# Altium PCB P0.PcbDoc (part 3 of 3)
Units mm, origin at the board's own origin, x right, y up, seen from the top; angles counter-clockwise.
Board outline 111.3 x 100 mm, 2 copper layers (Top Layer, Bottom Layer); 300 components, 175 nets, 873 pads, 740 vias.
Unrouted connection lines stored in the file: 7.
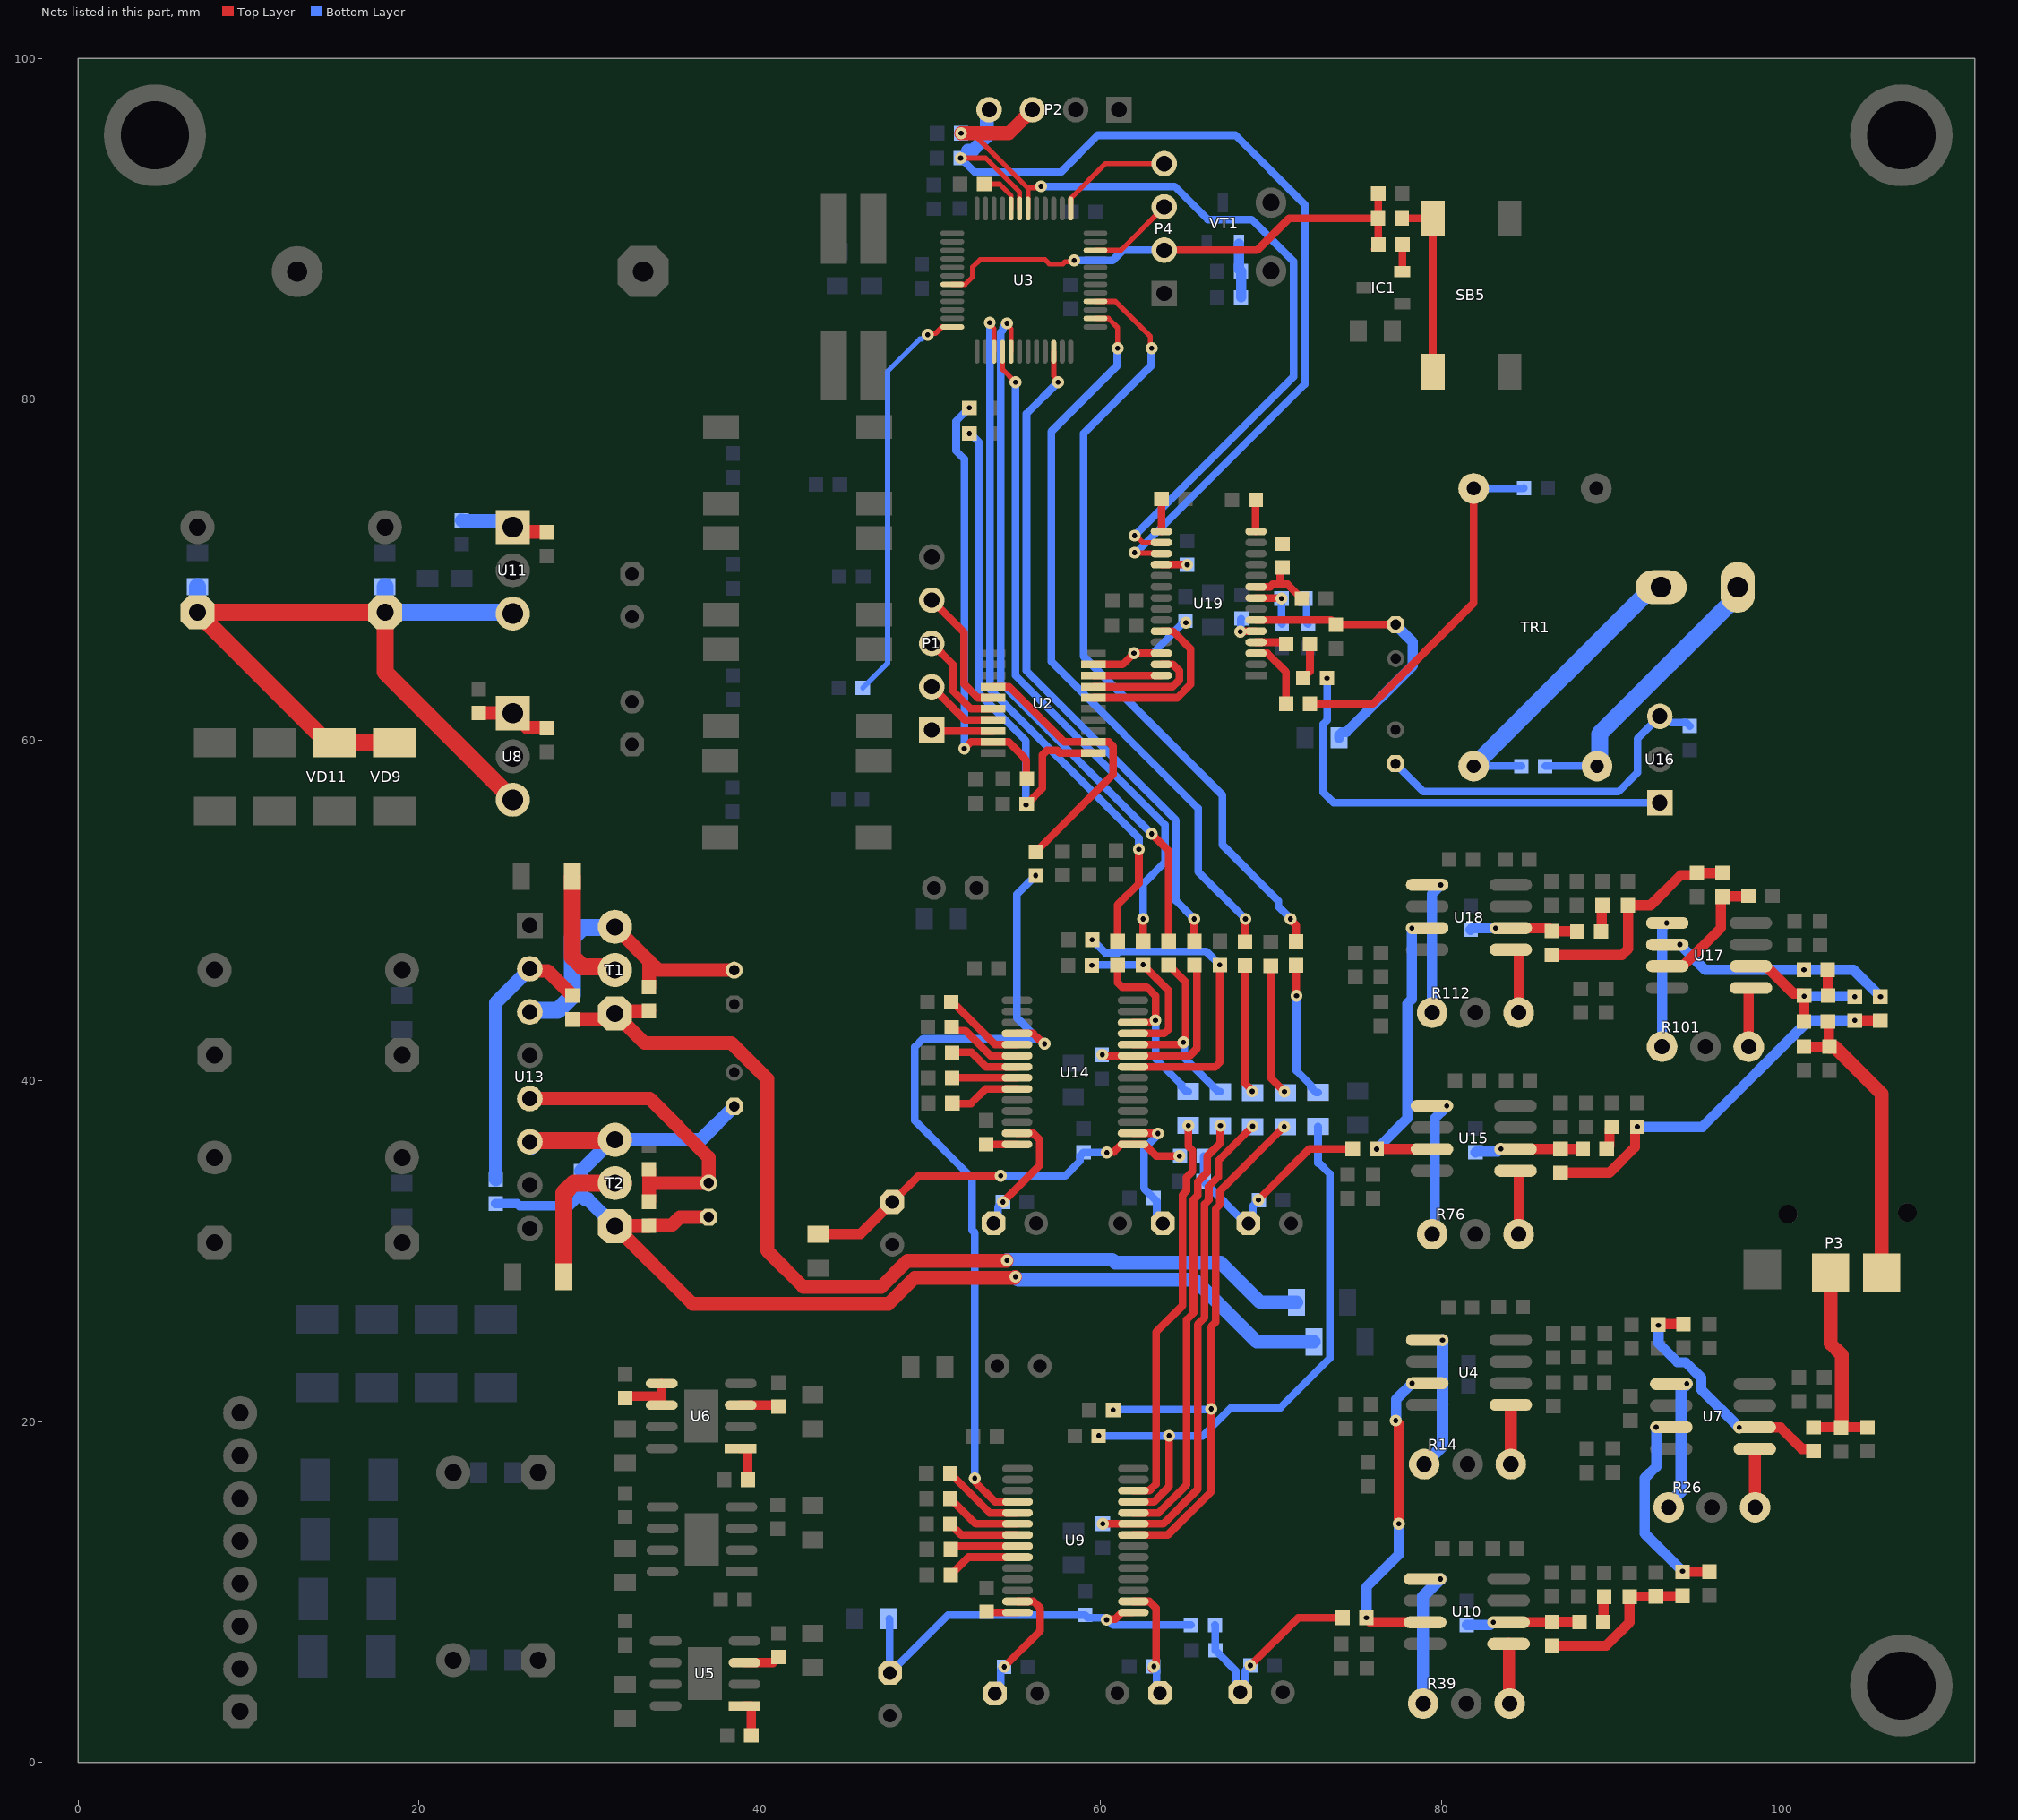
[diagram p3: the nets of this part, all layers, seen from the top]

## Via types
v1: diameter 0.7, hole 0.3, Top Layer to Bottom Layer, 740 vias

## Nets (pads, with @x,y where several pads share a name; then routed paths per layer and width w, separated by ;. In a path a pad name is that pad's centre, name@x,y a point inside that pad or via, vN(x,y) a via of type N, cw(c..) or ccw(c..) an arc to the next point about the centre after c; other vN are vias at no path point) (continued)
NetC31_2: C31.2 R20.2 U7.3 | length 11.2
  Top Layer w0.6: R20.2@94.164,11.172 94.175,11.183 95.718,11.183 C31.2@95.729,11.194
  Bottom Layer w0.6: v1(92.611,19.667) 92.611,17.35 91.939,16.678 91.939,13.429 v1(94.155,11.213)
NetC33_1: C33.1 U6.5 U6.6 | length 3.1
  Top Layer w0.55: C33.1@32.102,21.382 32.22,21.5 34.126,21.5 34.244,21.382 U6.5@34.244,22.236
NetC34_2: C34.2 R19.1 R20.1 R30.2 | length 9.7
  Top Layer w0.6: R30.2@86.511,6.841 89.671,6.841 91.051,8.221 R19.1@91.051,9.718 91.063,9.73 92.584,9.73 C34.2@92.597,9.742 92.611,9.757 94.149,9.757 R20.1@94.164,9.772
NetC35_1: C35.1 U5.1 | length 2.1
  Top Layer w0.55: U5.1@39.102,3.312 39.498,3.312 39.502,3.308 C35.1@39.502,1.582
NetC36_1: C36.1 U5.3 | length 2.1
  Top Layer w0.55: U5.3@39.102,5.852 40.772,5.852 C36.1@41.102,6.181
NetC37_1: C37.1 U6.1 | length 2.3
  Top Layer w0.55: U6.1@38.877,18.426 39.298,18.426 39.302,18.422 C37.1@39.302,16.582
NetC38_1: C38.1 U6.3 | length 2.3
  Top Layer w0.55: U6.3@38.877,20.966 38.881,20.962 41.021,20.962 C38.1@41.102,20.882
NetC41_1: C41.1 R18.2 R30.1 U10.6 | length 5.8
  Top Layer w0.6: U10.6@83.947,8.22 83.957,8.231 86.509,8.231 86.511,8.229 86.521,8.239 88.107,8.239 C41.1@88.11,8.237
  Bottom Layer w0.6: R18.2@81.497,8.062 82.868,8.062 83.026,8.221 v1(83.053,8.221)
NetC41_2: C41.2 R24.2 | length 1.5
  Top Layer w0.6: C41.2@89.51,8.237 89.53,8.257 89.53,9.697 R24.2@89.551,9.718
NetC42_2: C42.2 C47.2 C59.1 C60.1 C68.1 C69.1 U8.3 U11.3 VD9.2 VD11.2 | length 50.4
  Top Layer w1: VD9.2@18.538,59.838 VD11.2@15.038,59.838 14.638,59.838 7,67.476 C60.1@7,67.5 C69.1@18,67.5 18,64 U8.3@25.5,56.5
  Bottom Layer w1: C60.1@7,67.5 C42.2@7,69 ; C47.2@18,69 C69.1@18,67.5 20.375,67.5 C68.1@20.5,67.5 22.375,67.5 C59.1@22.5,67.5 25.42,67.5 U11.3@25.5,67.42
NetC51_1: C51.1 C52.1 U9.13 | length 7.6
  Top Layer w0.45: v1(54.344,5.605) 56.45,7.711 56.45,9.062 56.069,9.443 U9.13@55.125,9.443
  Bottom Layer w0.45: C52.1@53.794,4.045 53.794,4.263 54.144,4.613 54.144,5.405 v1(54.344,5.605)
NetC53_1: C53.1 C54.1 U9.16 | length 6.9
  Top Layer w0.45: U9.16@61.925,9.443 62.869,9.443 63.25,9.062 63.25,5.75 v1@63,5.5
  Bottom Layer w0.45: C53.1@63.08,5.625 63.28,5.425 63.28,4.275 C54.1@63.49,4.065
  other v1: 63.125,5.625
NetC58_2: C58.2 R46.2 T1.3 U13.3 | length 18.7
  Top Layer w0.8: T1.3@31.5,49.04 33.5,47.04 ; R46.2@33.5,45.5 33.5,47.04 ; C58.2@38.5,46.5 34.04,46.5 33.5,47.04
  Bottom Layer w1: U13.3@26.5,44.04 26.596,44.136 28.136,44.136 29,45 29,48.414 29.586,49 31.46,49 T1.3@31.5,49.04
NetC70_1: C70.1 R57.1 T2.3 U13.6 | length 16.5
  Top Layer w1: U13.6@26.5,36.42 26.56,36.48 31.94,36.48 T2.3@32,36.54
  Bottom Layer w0.8: U13.6@26.5,36.42 26.634,36.286 U13.6@26.634,36.066 ; R57.1@29.5,34.7 31.34,36.54 T2.3@31.5,36.54 36.54,36.54 C70.1@38.5,38.5
NetC74_1: C74.1 C75.1 L2.1 R58.1 U9.15 | length 24.3
  Top Layer w0.45: v1(60.357,8.367) 60.405,8.415 60.872,8.415 61.25,8.793 U9.15@61.925,8.793
  Bottom Layer w0.45: L2.1@47.587,8.427 47.612,8.402 47.612,5.267 C75.1@47.637,5.242 51.046,8.65 C74.1@59.078,8.65 59.249,8.479 60.178,8.479 60.289,8.367 v1(60.357,8.367) 60.424,8.367 60.726,8.065 R58.1@65.314,8.065
NetC80_1: C80.1 R53.2 R70.1 U15.6 | length 5.6
  Top Layer w0.6: U15.6@84.354,35.99 84.359,35.995 88.295,35.995 C80.1@88.3,36
  Bottom Layer w0.6: R53.2@82,35.8 82.052,35.852 83.325,35.852 83.473,36 v1(83.5,36) v1@83.481,36.019
NetC80_2: C80.2 R59.2 | length 1.4
  Top Layer w0.6: C80.2@89.7,36 89.875,36.175 89.875,37.175 R59.2@90,37.3
NetC81_1: C81.1 R55.2 R56.2 R57.2 R61.2 T2.1 | length 59
  Top Layer w0.55: T2.1@31.5,31.46 T2.1@31.52,31.48 ; R55.2@33.48,31.48 R55.2@33.5,31.5
  Top Layer w0.8: T2.1@31.5,31.46 36.053,26.907 47.554,26.907 49.082,28.436 54.936,28.436 v1(55,28.5) ; T2.1@31.52,31.48 R55.2@33.48,31.48 ; R55.2@33.5,31.5 33.525,31.525 34.825,31.525 35.3,32 C81.1@37,32
  Bottom Layer w0.55: R56.2@24.5,32.8 25.756,32.8 25.901,32.655 28.855,32.655 R57.2@29.5,33.3
  Bottom Layer w0.8: R57.2@29.5,33.3 29.741,33.059 29.901,33.059 T2.1@31.5,31.46 ; v1(55,28.5) 55.168,28.332 65.511,28.332 69.158,24.686 R61.2@72.523,24.686
NetC81_2: C81.2 R52.2 R55.1 U13.5 | length 18.9
  Top Layer w0.8: U13.5@26.5,38.96 33.54,38.96 37,35.5 C81.2@37,34 33.65,34 33.5,33.85 ; R55.1@33.5,32.9 33.5,33.85 ; R52.2@33.5,34.8 33.5,33.85
NetC82_2: C82.2 C83.1 L4.2 U19.6 | length 17.3
  Top Layer w0.45: U19.6@69.123,67.046 73.539,67.046 C82.2@73.809,66.775 73.811,66.777 77.324,66.777 C83.1@77.326,66.779
  Bottom Layer w0.6: L4.2@74,60.138 74,60.263 74.2,60.463 74.424,60.463 78.326,64.365 78.326,65.756 77.326,66.756 C83.1@77.326,66.779
NetC86_2: C86.2 C87.1 U16.3 | length 21.2
  Bottom Layer w0.45: C87.1@77.309,58.61 78.948,56.971 90.398,56.971 91.51,58.083 91.51,60.086 U16.3@92.824,61.4 93.108,61.4 93.487,61.02 94.394,61.02 C86.2@94.587,60.827
NetC91_1: C91.1 R77.2 | length 2.2
  Top Layer w0.45: R77.2@71.891,63.636 72.291,64.036 C91.1@72.291,65.636
NetC91_2: C91.2 U19.4 | length 1.8
  Top Layer w0.45: U19.4@69.123,65.746 70.781,65.746 C91.2@70.891,65.636
NetC92_1: C92.1 R75.2 TR1.4 | length 21.7
  Top Layer w0.45: C92.1@72.291,62.136 75.99,62.136 81.898,68.043 TR1.4@81.898,74.771
  Bottom Layer w0.45: TR1.4@81.898,74.771 81.91,74.783 84.837,74.783 R75.2@84.849,74.795
NetC92_2: C92.2 U19.3 | length 4.1
  Top Layer w0.45: U19.3@69.123,65.096 69.797,65.096 70.891,64.002 C92.2@70.891,62.136
NetC93_1: C93.1 R73.1 U17.2 | length 13
  Bottom Layer w0.6: v1(94,48) 95.481,46.519 v1(101.278,46.519) 104.192,46.519 v1(105.772,44.939)
NetC93_2: C93.2 R79.2 | length 1.5
  Top Layer w0.6: C93.2@102.678,46.519 102.689,46.508 102.689,45.011 R79.2@102.7,45
NetC94_1: C94.1 R70.2 R73.2 R80.1 | length 23.1
  Top Layer w0.6: R70.2@87,34.6 89.857,34.6 91.375,36.118 91.375,37.175 v1(91.5,37.3) ; v1(104.266,43.543) R73.2@105.766,43.543
  Bottom Layer w0.6: v1(91.5,37.3) 95.32,37.3 101.562,43.543 v1(104.266,43.543)
NetC99_2: C99.2 R89.2 U17.3 | length 7.5
  Top Layer w0.6: U17.3@93.267,46.727 94.167,46.727 96.417,48.977 96.417,50.717 R89.2@96.5,50.8 96.537,50.837 97.989,50.837 C99.2@98.026,50.874
NetC101_2: C101.2 R88.1 R89.1 R108.2 | length 13.5
  Top Layer w0.6: R108.2@86.486,47.391 90.609,47.391 90.96,47.743 R88.1@90.96,50.3 92.285,50.3 94.06,52.075 94.875,52.075 C101.2@95,52.2 R89.1@96.5,52.2
NetC104_2: C104.2 U19.5 | length 1.7
  Top Layer w0.45: v1(68.196,66.368) 68.224,66.396 U19.5@69.123,66.396
  Bottom Layer w0.45: v1(68.196,66.368) 68.23,66.402 68.23,67.103 C104.2@68.264,67.137
NetC105_1: C105.1 R87.2 R108.1 U18.6 | length 5.5
  Top Layer w0.6: U18.6@84.075,48.967 86.311,48.967 R108.1@86.486,48.791 86.496,48.782 87.973,48.782 C105.1@87.983,48.772
  Bottom Layer w0.6: R87.2@81.723,48.867 81.803,48.947 83.16,48.947 v1(83.179,48.966)
NetC105_2: C105.2 R94.2 | length 1.6
  Top Layer w0.6: C105.2@89.383,48.772 89.421,48.811 89.421,50.261 R94.2@89.46,50.3
NetC106_1: C106.1 C109.1 U14.16 | length 7.8
  Top Layer w0.45: U14.16@61.9,36.925 63.347,36.925 v1(63.366,36.906)
  Bottom Layer w0.45: v1(63.366,36.906) 63.366,36.839 62.551,36.024 62.551,33.682 63.301,32.932 63.301,32.2 63.651,31.85 C106.1@63.651,31.632 C106.1@63.651,31.414
NetC107_1: C107.1 C108.1 U14.13 | length 7.5
  Top Layer w0.45: v1(54.268,32.893) 56.425,35.05 56.425,36.544 56.044,36.925 U14.13@55.1,36.925
  Bottom Layer w0.45: C108.1@53.715,31.636 53.972,31.892 53.972,32.597 v1(54.268,32.893)
NetC113_1: C113.1 R104.2 | length 1.6
  Bottom Layer w0.45: R104.2@72.021,68.305 72.097,68.229 72.097,66.885 C113.1@72.173,66.809
NetC114_2: C114.2 R104.1 U19.8 | length 3
  Top Layer w0.45: U19.8@69.123,68.346 70.573,68.346 v1(70.613,68.305)
  Bottom Layer w0.45: v1(70.613,68.305) 70.63,68.289 70.63,66.828 C114.2@70.639,66.819
NetC119_1: C119.1 C120.1 L6.1 R111.1 U14.15 | length 23.6
  Top Layer w0.45: C120.1@47.632,33.251 C120.1@47.75,33.132 ; C120.1@47.781,32.887 49.324,34.43 v1(54.135,34.43) ; 60.783,35.833 61.225,36.275 62.575,36.275 63.261,35.589 v1(64.621,35.589)
  Top Layer w0.6: L6.1@43.423,31.007 45.902,31.007 C120.1@47.781,32.887
  Bottom Layer w0.45: C120.1@47.781,32.887 C120.1@47.792,32.898 ; v1(54.135,34.43) 57.93,34.43 58.8,35.3 58.8,35.6 C119.1@59,35.8 59.008,35.792 60.359,35.792 v1(60.366,35.785)
NetIC1_2: IC1.2 R65.2 | length 1.6
  Top Layer w0.45: IC1.2@77.704,87.501 77.71,87.506 77.71,89.076 R65.2@77.715,89.081
NetJ1_1A: P6.1A R85.1 TR1.2 | length 17
  Bottom Layer w0.45: R85.1@86.098,58.471 TR1.2@89.137,58.471
  Bottom Layer w1: TR1.2@89.137,58.471 89.29,58.624 89.29,60.367 97.394,68.471 P6.1A@97.394,68.971
NetJ1_2B: P6.2B R85.2 TR1.1 | length 18.1
  Bottom Layer w0.45: TR1.1@81.898,58.471 R85.2@84.698,58.471
  Bottom Layer w1: TR1.1@81.898,58.471 92.398,68.971 P6.2B@92.898,68.971
NetP1_1: P1.1 U2.18 | length 3.6
  Top Layer w0.45: P1.1@50.091,60.596 50.151,60.536 U2.18@53.691,60.536
NetP1_2: P1.2 U2.17 | length 4.4
  Top Layer w0.45: P1.2@50.091,63.136 52.041,61.186 U2.17@53.691,61.186
NetP1_3: P1.3 U2.16 | length 6.1
  Top Layer w0.45: P1.3@50.091,65.676 51.342,64.425 51.342,62.885 52.391,61.836 U2.16@53.691,61.836
NetP1_4: P1.4 U2.15 | length 7.7
  Top Layer w0.45: P1.4@50.091,68.216 51.992,66.315 51.992,63.284 52.79,62.486 U2.15@53.691,62.486
NetP4_2: P4.2 R64.1 R65.1 R67.2 U3.7 | length 30.6
  Top Layer w0.3: U3.7@51.3,86.75 52.057,86.75 52.5,87.193 52.5,87.774 52.926,88.2 56.746,88.2 56.996,87.95 57.79,87.95 57.913,88.073 58.373,88.073 v1(58.45,88.15) ; R65.1@76.02,88.816 76.05,88.816 76.3,89.067 R65.1@76.3,89.096 ; R64.1@76.29,90.626 R64.1@76.285,90.622 R64.1@76.3,90.607 ; R67.2@76.29,92.086 R67.2@76.295,92.09
  Top Layer w0.45: P4.2@63.734,88.755 69.196,88.755 71.063,90.622 R64.1@76.285,90.622 ; R64.1@76.29,90.626 R67.2@76.29,92.086 ; R65.1@76.3,89.096 R64.1@76.3,90.607
  Bottom Layer w0.45: v1(58.45,88.15) 60.709,88.15 61.313,88.754 P4.2@63.734,88.755
NetR1_1: R1.1 R9.1 U2.19 | length 25.9
  Top Layer w0.45: v1(52,59.5) 52.386,59.886 U2.19@53.691,59.886 54.614,59.886 55.5,59 55.5,58.932 55.643,58.789 55.643,57.935 55.67,57.908 R9.1@55.67,57.735
  Bottom Layer w0.45: v1(52,59.5) 52,76.5 51.525,76.975 51.525,78.725 v1(52.3,79.5)
NetR2_1: R2.1 R10.1 U2.1 | length 29.7
  Top Layer w0.45: R10.1@55.66,56.238 56.591,57.169 56.591,59.136 56.855,59.399 57.449,59.399 57.613,59.236 U2.1@59.591,59.236
  Bottom Layer w0.45: v1(52.3,78) 52.35,78 52.85,77.5 52.85,62.731 55.623,59.958 v1(55.623,56.195)
NetR14_1: R14.1 U4.1 | length 7.7
  Bottom Layer w0.7: R14.1@79,17.5 80.072,18.572 v1(80.072,24.786)
NetR14_3: R14.3 U4.5 | length 3.5
  Top Layer w0.7: U4.5@84.075,20.979 84.08,20.979 R14.3@84.08,17.5
NetR15_1: R15.1 R16.2 R22.1 U7.6 | length 13.8
  Top Layer w0.6: v1(92.741,25.65) 92.73,25.661 R16.2@92.73,25.703 92.743,25.716 94.206,25.716 R15.1@94.219,25.728 ; U7.6@98.399,19.667 98.419,19.648 99.917,19.648 101.173,18.392 101.723,18.392 R22.1@101.848,18.267
  Bottom Layer w0.6: v1(92.741,25.65) 92.76,25.631 92.76,24.585 93.867,23.478 94.346,23.478 95.255,22.569 95.255,21.882 v1(97.487,19.649)
NetR26_1: R26.1 U7.1 | length 7.7
  Bottom Layer w0.7: R26.1@93.339,14.968 93.339,15.168 94.1,15.928 94.1,21.912 v1(94.405,22.217)
NetR26_3: R26.3 U7.5 | length 3.4
  Top Layer w0.7: U7.5@98.399,18.397 98.409,18.397 98.409,14.978 R26.3@98.419,14.968
NetR27_1: R27.1 R29.1 U8.1 | length 4.4
  Top Layer w0.8: R29.1@23.5,61.6 23.51,61.59 25.49,61.59 U8.1@25.5,61.58 26.355,60.725 27.475,60.725 R27.1@27.5,60.7
NetR28_2: R28.2 U4.3 U10.3 | length 18.6
  Top Layer w0.6: v1(75.606,8.484) 75.87,8.22 U10.3@79.047,8.22 ; v1(77.325,20.063) 77.325,20.036 77.5,19.862 v1(77.5,14)
  Bottom Layer w0.6: v1(75.606,8.484) 75.606,10.295 77.5,12.189 v1(77.5,14) ; v1(77.325,20.063) 77.345,20.083 77.345,21.305 v1(78.286,22.246)
NetR31_2: R31.2 R34.1 VT1.1 | length 3.2
  Bottom Layer w0.6: VT1.1@68.131,89.127 68.131,87.633 R34.1@68.245,87.52 R31.2@68.245,85.986
NetR32_2: R32.2 U9.5 | length 4.9
  Top Layer w0.45: R32.2@51.178,16.954 53.489,14.643 U9.5@55.125,14.643
NetR33_1: Designator6.1 Designator6.2 R33.1 R36.1 U9.22 | length 42.3
  Top Layer w0.45: U9.22@61.925,13.343 63.946,13.343 66.5,15.897 66.5,20.741 v1(66.494,20.747) 66.494,25.575 66.757,25.838 66.757,32.49 67,32.733 67,33.532 v1(70.772,37.304) ; R33.1@69.988,46.741 69.988,40.172 v1(70.793,39.367)
  Bottom Layer w0.45: v1(60.734,20.679) 60.768,20.713 66.46,20.713 v1(66.494,20.747)
NetR35_2: R35.2 U9.6 | length 4.6
  Top Layer w0.45: R35.2@51.188,15.477 52.671,13.993 U9.6@55.125,13.993
NetR37_2: R37.2 U9.7 | length 4.2
  Top Layer w0.45: R37.2@51.184,13.985 51.826,13.343 U9.7@55.125,13.343
NetR38_2: R38.2 R45.1 R46.1 T1.1 | length 58.9
  Top Layer w0.8: R45.1@29,43.6 30.874,43.6 31.234,43.96 T1.1@31.5,43.96 33.236,42.224 38.331,42.224 40.441,40.115 40.441,30.017 42.55,27.907 47.14,27.907 48.668,29.436 54.477,29.436 v1(54.5,29.458) ; T1.1@31.5,44.075 33.475,44.075 R46.1@33.5,44.1
  Bottom Layer w0.8: v1@54.5,29.5 60.688,29.5 60.855,29.332 67.043,29.332 69.375,27 R38.2@71.5,27
NetR39_1: R39.1 U10.1 | length 7.7
  Bottom Layer w0.7: R39.1@78.934,3.453 78.934,9.747 v1(79.947,10.76)
NetR39_3: R39.3 U10.5 | length 3.5
  Top Layer w0.7: U10.5@83.947,6.95 83.981,6.95 83.981,3.486 R39.3@84.014,3.453
NetR40_2: R40.2 U9.8 | length 4
  Top Layer w0.45: R40.2@51.2,12.5 51.393,12.693 U9.8@55.125,12.693
NetR41_1: R41.1 R42.1 U11.1 | length 5.3
  Top Layer w0.8: U11.1@25.5,72.5 25.775,72.225 27.475,72.225 R41.1@27.5,72.2
  Bottom Layer w0.8: R42.1@22.5,72.9 22.525,72.875 25.125,72.875 U11.1@25.5,72.5
NetR43_1: R43.1 T1.2 | length 7.5
  Top Layer w1: R43.1@29,52 29,47.277 29.586,46.691 31.309,46.691 T1.2@31.5,46.5
NetR44_2: R44.2 U9.9 | length 4.4
  Top Layer w0.45: R44.2@51.2,11 52.243,12.043 U9.9@55.125,12.043
NetR45_2: R45.2 R56.1 U13.2 | length 16.4
  Top Layer w0.8: U13.2@26.5,46.58 26.634,46.446 27.554,46.446 R45.2@29,45
  Bottom Layer w0.8: R56.1@24.5,34.2 24.5,44.58 U13.2@26.5,46.58
NetR47_2: Designator7.1 Designator7.2 R47.2 R48.2 U9.25 | length 42.9
  Top Layer w0.45: U9.25@61.925,15.293 63.138,15.293 64.025,16.18 v1(64.025,19.163) ; R48.2@71.475,46.777 71.488,46.765 71.488,45.012 v1(71.5,45)
  Bottom Layer w0.45: v1(59.888,19.163) 62.938,19.163 66.005,19.163 67.66,20.818 70.557,20.818 73.448,23.709 73.448,34.552 72.763,35.237 ; v1(71.5,45) 71.5,40.589 72.363,39.726 72.363,39.601 72.638,39.326 Designator7.2@72.763,39.326 ; 72.763,35.166 72.763,35.237 ; Designator7.1@72.763,37.326 72.763,35.237
NetR49_2: Designator5.1 Designator5.2 R49.2 R51.2 U9.23 | length 36.6
  Top Layer w0.45: v1(60.136,14.005) 60.148,13.993 U9.23@61.925,13.993 63.677,13.993 65.707,16.023 65.707,25.707 66.107,26.107 66.107,32.759 66.35,33.002 66.35,33.801 66.907,34.358 66.907,35.31 v1(68.923,37.326) ; R49.2@68.486,46.766 68.486,39.855 68.896,39.445 v1(68.896,39.377)
NetR50_1: R50.1 U9.14 | length 1.8
  Top Layer w0.45: R50.1@53.312,8.829 53.348,8.793 U9.14@55.125,8.793
NetR62_1: R62.1 T2.2 | length 8.7
  Top Layer w1: R62.1@28.5,28.5 28.5,33.414 29.086,34 T2.2@32,34
NetR63_1: R63.1 U3.44 | length 2.6
  Top Layer w0.3: R63.1@53.167,92.631 54.076,92.631 54.75,91.957 U3.44@54.75,91.2
NetR64_2: R64.2 SB5.1 | length 10.8
  Top Layer w0.45: R64.2@77.685,90.622 SB5.1@79.492,90.62 SB5.1@79.492,90.62 SB5.1@79.492,81.62
NetR72_1: R72.1 U2.9 U19.26 | length 8
  Top Layer w0.45: U2.9@59.591,64.436 61.299,64.436 v1(61.958,65.096) U19.26@63.57,65.096
  Bottom Layer w0.45: v1(61.958,65.096) 63.067,65.096 64.856,66.885 v1(65.004,66.885)
NetR74_2: R74.2 U14.5 | length 4.9
  Top Layer w0.45: R74.2@51.242,44.614 51.442,44.414 51.523,44.414 53.811,42.125 U14.5@55.1,42.125
NetR76_1: R76.1 U15.1 | length 9.1
  Top Layer w0.6: U15.1@79.454,38.53 v1(80.327,38.53) ; R76.1@79.46,31 R76.1@79.46,31.325
  Bottom Layer w0.6: R76.1@79.46,31 79.6,31.14 79.6,37.776 80.327,38.503 v1(80.327,38.53)
NetR76_3: R76.3 U15.5 | length 4.5
  Top Layer w0.6: U15.5@83.754,34.674 83.8,34.72 U15.5@84.354,34.72 84.494,34.72 84.54,34.674 R76.3@84.54,31
NetR77_1: R77.1 U16.1 | length 26.8
  Bottom Layer w0.45: v1(73.291,63.636) 73.291,61.156 73.075,60.94 73.075,56.925 73.68,56.32 U16.1@92.824,56.32
NetR78_1: R78.1 R82.1 U14.22 | length 19.1
  Top Layer w0.45: U14.22@61.9,40.825 66.736,40.825 67,41.089 v1(67,46.8)
  Bottom Layer w0.45: v1(59.509,48.277) 60.286,47.5 61,47.5 61.091,47.591 66.209,47.591 v1(67,46.8)
NetR79_1: R79.1 R80.2 R90.1 U17.6 | length 8.4
  Top Layer w0.6: U17.6@98.167,46.727 99.067,46.727 100.669,45.125 101.175,45.125 R79.1@101.3,45 ; R90.1@101.29,43.488 101.295,43.494 R79.1@101.295,44.995 ; v1(101.301,44.97) R79.1@101.3,45
  Bottom Layer w0.6: v1(101.301,44.97) 104.213,44.97 104.246,44.937 v1(104.273,44.937)
NetR81_2: R81.2 U14.6 | length 4.5
  Top Layer w0.45: R81.2@51.262,43.146 51.462,42.946 52.071,42.946 53.542,41.475 U14.6@55.1,41.475
NetR83_2: R83.2 U14.7 | length 4.2
  Top Layer w0.45: R83.2@51.283,41.647 51.306,41.67 52.428,41.67 53.273,40.825 U14.7@55.1,40.825
NetR84_2: R84.2 U14.8 | length 3.8
  Top Layer w0.45: R84.2@51.282,40.172 51.285,40.175 U14.8@55.1,40.175
NetR86_2: R86.2 U14.9 | length 4.2
  Top Layer w0.45: R86.2@51.301,38.685 51.321,38.666 52.398,38.666 53.257,39.525 U14.9@55.1,39.525
NetR91_1: R91.1 U19.14 | length 1.9
  Top Layer w0.45: R91.1@69.107,74.102 69.107,72.246 U19.14@69.123,72.246
NetR95_1: R95.1 U19.15 | length 1.9
  Top Layer w0.45: U19.15@63.57,72.246 63.579,72.246 R95.1@63.579,74.153
NetR97_1: R97.1 U19.18 | length 1.5
  Top Layer w0.45: U19.18@63.57,70.296 65.084,70.296 v1(65.087,70.293)
NetR98_2: R98.2 R105.2 U14.25 | length 9.6
  Top Layer w0.45: U14.25@61.9,42.775 63.736,42.775 64,43.039 64,45.3 R105.2@62.5,46.8
  Bottom Layer w0.45: v1(59.487,46.775) 59.507,46.796 62.473,46.796 v1(62.494,46.816)
NetR99_2: R99.2 R103.2 U14.23 | length 10.7
  Top Layer w0.45: v1(60.114,41.534) 60.182,41.534 60.24,41.475 U14.23@61.9,41.475 65.236,41.475 65.65,41.889 65.65,46.65 R99.2@65.5,46.8
NetR101_1: R101.1 U17.1 | length 7.4
  Bottom Layer w0.6: R101.1@92.96,42 92.96,48.974 93.224,49.239 v1(93.224,49.266)
NetR101_3: R101.3 U17.5 | length 3.6
  Top Layer w0.6: R101.3@98.04,42 98.04,45.411 98.086,45.457 U17.5@98.167,45.457
NetR102_1: R102.1 U14.14 | length 1.8
  Top Layer w0.45: R102.1@53.277,36.287 53.289,36.275 U14.14@55.1,36.275
NetR106_2: R106.2 R109.1 U19.9 | length 4.2
  Top Layer w0.45: U19.9@69.123,68.996 69.951,68.996 70.091,69.136 70.535,69.136 ; R106.2@70.694,70.127 70.535,69.968 70.535,69.136 ; R109.1@71.824,68.291 70.979,69.136 70.535,69.136
NetR107_2: R107.2 U15.3 U18.3 | length 17.1
  Top Layer w0.6: R107.2@76.2,36 v1(76.205,35.995) 79.449,35.995 U15.3@79.454,35.99
  Bottom Layer w0.6: v1(76.205,35.995) 78,37.79 78,44.52 78.273,44.793 v1(78.273,48.955)
NetR112_1: R112.1 U18.1 | length 7.7
  Bottom Layer w0.6: R112.1@79.46,44 79.46,50.973 79.96,51.473 v1(79.96,51.5)
NetR112_3: R112.3 U18.5 | length 4.1
  Top Layer w0.6: U18.5@84.075,47.697 84.494,47.697 84.54,47.651 R112.3@84.54,44
NetU2_6: U2.6 U19.24 | length 10.2
  Top Layer w0.45: U2.6@59.591,62.486 64.504,62.486 65.275,63.257 65.275,65.365 64.244,66.396 U19.24@63.57,66.396
NetU2_7: U2.7 U19.27 | length 6.9
  Top Layer w0.45: U2.7@59.591,63.136 64.234,63.136 64.625,63.526 64.625,64.065 64.244,64.446 U19.27@63.57,64.446
NetU2_8: U2.8 U19.28 | length 4
  Top Layer w0.45: U2.8@59.591,63.786 61.624,63.786 61.633,63.796 U19.28@63.57,63.796
OUTL: C112.2 P3.4 R90.2 R100.2 | length 17.8
  Top Layer w0.6: R100.2@101.279,42.002 C112.2@102.779,42.002 102.734,42.047 102.734,43.444 R90.2@102.69,43.488
  Top Layer w0.8: C112.2@102.779,42.002 102.804,41.977 103.103,41.977 105.846,39.234 P3.4@105.846,28.72
OUTR: C46.2 P3.3 R22.2 R25.2 | length 17.7
  Top Layer w0.6: R22.2@101.848,19.667 101.849,19.668 C46.2@103.458,19.668 ; P3.3@102.846,28.72 P3.3@103.458,28.108 ; C46.2@103.458,19.655 C46.2@103.458,19.668 ; 103.458,23.957 C46.2@103.458,19.668 ; C46.2@103.472,19.668 R25.2@105.022,19.67 R25.2@105.022,19.67
  Top Layer w0.8: P3.3@102.846,28.72 102.846,24.57 103.458,23.957 103.503,23.913 103.503,19.699 103.472,19.668 C46.2@103.458,19.655
R: R8.1 U3.12 | length 24.1
  Top Layer w0.3: v1(49.859,83.789) 49.936,83.866 50.316,83.866 50.7,84.25 U3.12@51.3,84.25
  Bottom Layer w0.3: R8.1@46.047,63.069 47.5,64.522 47.5,81.646 49.394,83.54 49.502,83.54 49.751,83.789 v1(49.859,83.789)
RSTDL: R99.1 U3.22 | length 39.5
  Top Layer w0.3: U3.22@57.25,82.8 57.25,81.358 57.5,81.108 v1(57.5,81)
  Top Layer w0.45: R99.1@65.5,48.2 v1(65.5,49.5)
  Bottom Layer w0.45: v1(57.5,81) 55.65,79.15 55.65,64.069 64.425,55.294 64.425,50.575 v1(65.5,49.5)
RSTDR: R49.1 U3.26 | length 43.9
  Top Layer w0.3: U3.26@59.7,84.75 60.457,84.75 61,84.207 v1(61,83)
  Top Layer w0.45: R49.1@68.486,48.166 68.493,48.173 68.493,49.493 v1(68.5,49.5)
  Bottom Layer w0.45: v1(61,83) 60.975,82.975 60.975,81.975 57.11,78.11 57.11,64.61 65.725,55.994 65.725,52.275 v1(68.5,49.5)
RSTR: R106.1
SCL: P2.3 R21.1 U3.42 U19.16 | length 50.4
  Top Layer w0.3: v1(51.81,95.618) 51.887,95.542 52.58,95.542 55.75,92.371 ; U3.42@55.75,91.2 55.75,92.371 ; v1(56.5,92.5) 56.423,92.423 55.802,92.423 55.75,92.371 ; v1(62,72) 62.087,72 62.491,71.596 U19.16@63.57,71.596
  Top Layer w0.8: v1(51.81,95.618) 54.618,95.618 P2.3@56,97
  Bottom Layer w0.45: v1(56.5,92.5) 64.345,92.5 66.293,90.552 68.869,90.552 71.328,88.093 71.328,81.328 v1(62,72)
SDA: P2.4 R17.1 U3.43 U19.17 | length 61.1
  Top Layer w0.3: v1(51.792,94.163) 53.252,94.163 55.25,92.164 U3.43@55.25,91.2 ; v1(62,71) 62.027,70.973 63.543,70.973 U19.17@63.57,70.946
  Bottom Layer w0.3: v1(51.792,94.163) 52.223,94.593 53.326,95.696 53.43,95.8 53.43,96.97 P2.4@53.46,97
  Bottom Layer w0.45: v1(51.792,94.163) 52.629,93.326 57.661,93.326 59.835,95.5 67.922,95.5 71.978,91.443 71.978,80.882 62.144,71.048 62.048,71.048 v1(62,71)
  Bottom Layer w0.8: 52.223,94.593 52.484,94.593 53.326,95.435 53.326,95.696 53.326,96.866 P2.4@53.43,96.97
SDATA: R71.1 U2.2 U2.14 | length 16.6
  Top Layer w0.45: U2.14@53.691,63.136 54.632,63.136 57.882,59.886 60.492,59.886 60.741,59.637 60.741,57.987 R71.1@56.203,53.449
SDATA1: R71.2 U9.4 U14.4 | length 50
  Top Layer w0.45: v1(52.613,16.667) 52.66,16.62 52.66,16.438 53.805,15.293 U9.4@55.125,15.293 ; U14.4@55.1,42.775 56.044,42.775 56.431,42.388
  Bottom Layer w0.45: v1(52.613,16.667) 52.613,31.087 52.45,31.25 52.45,34.308 49.1,37.658 49.1,41.99 49.583,42.473 56.312,42.473 56.362,42.423 ; v1(56.188,52.054) 55.083,50.949 55.083,43.702 56.362,42.423 ; v1(56.715,42.172) 56.648,42.172 56.397,42.423 56.362,42.423
SSCL: R92.1 U3.15 | length 42.2
  Top Layer w0.3: v1(53.5,84.5) 53.5,84.392 53.75,84.142 U3.15@53.75,82.8
  Top Layer w0.45: R92.1@61,48.2 61,50.336 62.249,51.585 v1(62.249,53.588)
  Bottom Layer w0.45: v1(53.5,84.5) 53.5,63 62.249,54.251 v1(62.249,53.588)
SSCL1: Designator3.1 Designator3.2 R92.2 U9.26 U14.26 | length 34.9
  Top Layer w0.45: R92.2@61,46.8 61,45.764 61.264,45.5 62.719,45.5 63.225,44.994 v1(63.225,43.55) ; U14.26@61.9,43.425 v1@63.225,43.425 ; U9.26@61.925,15.943 62.869,15.943 63.25,16.324 63.25,25.25 64.807,26.807 64.807,33.297 65.05,33.54 65.05,34.339 65.396,34.685 65.396,35.91 65.147,36.159 v1(65.147,37.375)
  Bottom Layer w0.45: v1(63.225,43.55) 63.225,41.297 64.747,39.775 64.747,39.65 65.022,39.375 Designator3.2@65.147,39.375
SSDA: R96.1 U3.17 | length 42.3
  Top Layer w0.3: v1(54.5,84.464) 54.5,84.392 54.75,84.142 U3.17@54.75,82.8
  Top Layer w0.45: v1(63,54.5) 64,53.5 R96.1@64,48.2
  Bottom Layer w0.45: v1(54.5,84.464) 54.5,84.432 54.275,84.207 54.275,84.077 54.15,83.952 54.15,63.35 v1(63,54.5)
SSDA1: Designator4.1 Designator4.2 R96.2 U9.24 U14.24 | length 37.6
  Top Layer w0.45: U14.24@61.9,42.125 64.736,42.125 v1(64.868,42.257) 65,42.389 65,45.8 R96.2@64,46.8 ; U9.24@61.925,14.643 63.408,14.643 65.057,16.292 65.057,25.976 65.457,26.376 65.457,33.028 65.7,33.271 65.7,34.07 66.257,34.627 66.257,35.579 67.017,36.339 67.017,37.354 v1(67.028,37.364)
  Bottom Layer w0.45: v1(64.868,42.257) 64.916,42.209 64.916,41.351 66.903,39.364 Designator4.2@67.028,39.364
SSL: R105.1 U3.16 | length 39.1
  Top Layer w0.3: U3.16@54.25,82.8 54.25,81.75 v1(55,81)
  Top Layer w0.45: R105.1@62.5,48.2 v1(62.5,49.5)
  Bottom Layer w0.45: v1(55,81) 55,63.8 63.775,55.025 63.775,52.832 62.5,51.557 v1(62.5,49.5)
SSR: R48.1 U3.28 | length 46.5
  Top Layer w0.3: U3.28@59.7,85.75 60.871,85.75 62.923,83.698 62.923,83.077 v1(63,83)
  Top Layer w0.45: v1(71.15,49.5) 71.15,49.459 71.488,49.121 71.488,48.19 R48.1@71.475,48.177
  Bottom Layer w0.45: v1(63,83) 62.975,82.975 62.975,81.975 59,78 59,64.919 67.15,56.769 67.15,53.85 70.441,50.559 70.441,50.241 71.15,49.532 v1(71.15,49.5)
SWCLK: P4.4 U3.37 | length 6.9
  Top Layer w0.3: U3.37@58.25,91.2 58.25,91.8 60.285,93.835 P4.4@63.734,93.835
SWDIO: P4.3 U3.34 | length 5.1
  Top Layer w0.3: U3.34@59.7,88.75 61.189,88.75 P4.3@63.734,91.295
VBIASL: C123.1 C124.1 R107.1 R110.2 R111.2 | length 13.5
  Top Layer w0.45: v1(69.265,33.012) 72.253,36 R107.1@74.8,36
  Bottom Layer w0.45: R111.2@66.059,35.584 66.054,35.579 66.054,34.113 R110.2@66.048,34.107 68.523,31.632 C124.1@68.682,31.632 68.939,31.889 68.939,32.639 C123.1@69.3,33
VBIASR: C76.1 C77.1 R28.1 R54.2 R58.2 | length 12.9
  Top Layer w0.45: v1(68.798,5.679) 71.603,8.484 R28.1@74.206,8.484
  Bottom Layer w0.45: R58.2@66.714,8.065 66.726,8.054 66.726,6.584 R54.2@66.738,6.573 67.944,5.366 67.944,4.372 C77.1@68.201,4.115 68.458,4.372 68.458,5.339 v1(68.798,5.679)
pads on no net: P3. P5. R14. R26. R39. R76. R101. R112. U3. U3.2 U3.5 U3.6 U3.14 U3.18 U3.19 U3.30 U3.31 U3.32 U3.33 U3.38 U3.39 U3.40 U3.41 U3.45 U3.46 U4.8 U7.8 U9.20 U9.21 U10.8 U13.8 U14.20 U14.21 U15.8 U17.8 U18.8 U19.19 U19.20 U19.25 VD1. VD2. VD3. VD4. VD5. VD6. VD7. VD8. VD9. VD10. VD11. VD12. VT1.

## Polygon pours and split planes (outlines as drawn)
AGNDD on Top Layer "TL" (solid, remove dead copper, pour order 0): 0,0 0,101.5 111.3,101.5 111.3,0
AGNDD on Bottom Layer "BL" (solid, remove dead copper, pour order 1): 0,0 0,101.5 111.3,101.5 111.3,0

## Keep-outs
Keep-Out Layer:
  lines w0.2: 111.3,99.998 111.3,99.5 111.3,0 0,0 0,100 111.302,100

## Other copper
Top Layer:
  pour cut-out: 63.734,93.835 60.285,93.835 57.538,91.088 57.538,86.006 59.045,84.5 64,84.5 64,85.949 63.734,86.215
  pour cut-out: 93.802,41.158 98.882,41.158 98.882,41.882 99,42 92.96,42
  pour cut-out: 90.5,43.5 90.922,43.078 93.578,43.078 94,43.5 92.698,44.802 92.698,44.862 90.138,44.862 90,45
  pour cut-out: 85.382,43.158 77.111,43.158 77,43.269 77,47.5 84,47.5 84.5,47
  pour cut-out: 43.5,88 43.5,79 47,79 47,88.5
  pour cut-out: 36.045,14.94 36,14.984 36,15.5 32.5,15.5 32.5,15
  pour cut-out: 40.377,7.641 40.377,7.988 40.358,8.007 38.117,8.007 38.117,7.65
  pour cut-out: 36.008,11.236 33.236,11.236 33,11 33.025,10.975 33.025,10.343 35.983,10.343 36,10.36 36,11.5
  pour cut-out: 36.027,7.081 36,7.108 36,8.688 32.827,8.688 32.827,7.557 32.943,7.557 33,7.5 33.082,7.418 34.48,7.631
  pour cut-out: 56.537,14.529 57.971,14.529 58,14.5 58,15.5 56.5,15.5
  pour cut-out: 40.014,17.954 39.927,17.867 39.927,17.073 39.5,17.5 39.5,18
  pour cut-out: 37.495,17.307 37.5,17.312 37.5,18.5 38.5,18.5 39.5,17.5 39,17 38,17
  pour cut-out: 42.277,18.882 39.618,18.882 39.5,19 39.677,19.177 42.201,19.177 42.277,19.101
  pour cut-out: 37.384,3.388 37.695,3.077 37.695,2.307 37.807,2.307 38,2.5 37.965,2.535 37.965,3.368
  pour cut-out: 38.076,15.857 37.495,15.857 37.495,15.032 37.596,14.93 37.666,15 38.5,15
  pour cut-out: 86.273,39.425 85.5,39.425 85.5,37.5 86.542,37.5
  pour cut-out: 86.375,33.975 86.309,34.041 85.081,34.041 85.081,35.919 85,36 88,36
  pour cut-out: 62.5,13 62.5,10.5 62.553,10.553 63.187,10.553 63.187,12.883
  pour cut-out: 60.779,86.25 60.779,91 57.95,91 58,90.95 58,87
  pour cut-out: 61.5,46.5 61.5,35.883 61.402,35.785 60.366,35.785 60.366,46.366 60.5,46.5
  pour cut-out: 55.5,46.5 55.5,36 57,36 57,46.5
  pour cut-out: 53.5,97 51,97 50.5,96.5 50.5,93 53.5,93
  pour cut-out: 56.715,88.678 48.322,88.678 48,89 48.5,89.5 48.5,92 52,92 52.5,91.5 56.5,91.5
  pour cut-out: 76.965,88.456 76.965,78.035 77,78 78.5,79.5 80.5,79.5 80.5,84 81,84.5 81,91 77,91 76.5,90.5
  pour cut-out: 93.852,61.4 93.852,58.86 93.712,59 92.5,59 92.5,60.5 92,61 92.4,61.4 92.824,61.4
  pour cut-out: 85,48.5 85,46.782 85.041,46.741 85.066,46.765 86.193,46.765 86.193,47.807 86,48 86,48.5
  pour cut-out: 73.588,38.798 73.588,42.412 73,43 69.5,43 69.5,38.5
  pour cut-out: 72.1,46.152 72.105,46.148 72.105,44.091 70.091,44.091 70,44 70,46.5
  pour cut-out: 64.5,50 72,50 72.114,49.886 72.114,48.599 64.599,48.599 64.5,48.5
  pour cut-out: 74,65 74,62.5 73,62.5 72.5,63 72.5,65
  pour cut-out: 70.093,63.549 70.266,63.376 70.266,62.635 70.5,62.869 70.5,64
  pour cut-out: 67.082,73.477 67.082,73.634 64.134,73.634 64,73.5 64,64 65.604,64 65.604,73.528
  pour cut-out: 68,73.5 68,63 69,63 69,73.5
  pour cut-out: 99.231,42 101,42 101,45.5 100.911,45.411 98.04,45.411 98.04,43.04 97.5,42.5
  pour cut-out: 90.609,46.85 90.5,46.742 90.5,46 91.93,46 91.951,45.979 92,46.028 92,48.5 91.717,48.5 90.784,47.567
  pour cut-out: 99.299,22.802 100.5,22.802 100.5,22 99.5,21 99,21.5 99,22.5
  pour cut-out: 32.668,23.188 35.312,23.188 35.5,23 35.271,22.771 35.271,22.596 33.347,22.596 33.011,22.26
  pour cut-out: 37.536,33.6 37.536,32.536 37.5,32.5 37,33 37,33.186
  pour cut-out: 34.225,36.607 34.607,36.607 35,37 37,35 37,33.05 37.35,32.7 36.925,32.275 34.125,32.275
  pour cut-out: 31.477,20.757 31.5,20.733 31.5,20 34,20 33.5,20.5 33.5,21
  pour cut-out: 76.5,6.5 76.5,4.5 79.5,4.5 79.047,4.953 79.047,6.415
  pour cut-out: 85.886,6.216 84.657,6.216 84.5,6.373 84.5,8 86,8 86.5,7.5
  pour cut-out: 84.836,11.811 85.494,11.811 86,11.304 86,10 83,10 82,11 82,12
  pour cut-out: 56,17.5 57.5,16 59,16 59,15 58.5,14.5 58,15 56,15
  pour cut-out: 58.827,17.419 59.058,17.188 59.058,13.601 60.532,13.601 60.633,13.5 61,13.867 61,17 60.5,17.5
  pour cut-out: 61.022,11.639 60.361,11.639 60,12 60,13.5 60.633,13.5 60.79,13.343
  pour cut-out: 56,14.5 56,11.5 56.5,11.5 56.537,11.537 56.537,14.684
  pour cut-out: 39.927,15.957 39.927,15.877 40.304,15.5 38.5,15.5 38.5,16
  pour cut-out: 42.177,14.818 42.117,14.818 42.068,14.768 41.872,14.964 41.771,14.964 41.771,15.518 41.816,15.563 42.177,15.563
  pour cut-out: 43.927,13.781 42.949,13.781 42.129,12.961 42.003,13.086 41.671,13.086 41.671,14.336 41.835,14.5 44.027,14.6
  pour cut-out: 37.295,10.307 37.295,11.295 37.5,11.5 38.5,10.5
  pour cut-out: 32.508,9.007 32.45,9.065 32.45,9.802 31.38,9.802 31.359,9.782 31.377,9.764 31.377,9.007
  pour cut-out: 41.827,7.988 41.827,6.857 42.177,6.857 42.177,8.063
  pour cut-out: 44.027,8.063 44.463,8.5 45,8.5 45,8 44.386,7.386 44.141,7.386 44.027,7.501
  pour cut-out: 41.204,5.556 41.727,5.556 41.827,5.656 41.827,6.857 43.357,6.857 43.203,6.703 43.203,6.308 42.303,6.308 41.764,5.769 41.764,5.096 40.972,5.096
  pour cut-out: 40.239,2.84 40.127,2.728 40.127,2.373 40,2.5 40.025,2.525 40.025,2.78
  pour cut-out: 31.187,3.824 31.187,3.074 31.221,3.107 33.378,3.107 33.378,3.378 34,4 31.5,4
  pour cut-out: 38.952,2.829 39,2.781 39,2 38.5,2 37.965,2.535 37.965,2.84
  pour cut-out: 17.5,25.242 23.742,25.242 25,26.5 24.8,26.7 24.8,28.428 23.228,30 10,30 10,25.5
  pour cut-out: 6.588,58.788 6.588,56.888 8.388,56.888 8.5,57 8.305,57.195 8.305,58.788
  pour cut-out: 14.772,58.788 18.288,58.788 20.14,60.64 20.36,60.64 24.213,56.787 24.213,56.716 14.216,56.716 14.5,57
  pour cut-out: 76.5,34 76.625,34.125 79.49,34.125 79.49,32.745 79.903,32.332 79.071,31.5 78,31.5 76.5,33
  pour cut-out: 85.176,26.008 84.999,26.186 82.645,26.186 82.645,26.176 82.384,25.915 82.384,25.116 82.5,25 82.884,25.384 85.027,25.384 85.534,24.877 85.594,24.937 85.834,24.937 85.834,25.583 85.409,26.008
Bottom Layer:
  pour cut-out: 56.393,33.3 56.4,33.307 56.951,33.307 56.951,32.264 56.593,32.622 56.296,32.622
  pour cut-out: 57.137,31.222 57.137,30.137 57,30 56.851,30.149 56.5,30.149 56.5,30.671
  pour cut-out: 91.631,36.759 91.628,36.761 89.016,36.761 89.016,37.516 90,38.5 92,38.5
  pour cut-out: 80.668,18.654 88.275,18.654 88.533,18.396 86.637,16.5 80.851,16.5 80.451,16.1
  pour cut-out: 80.975,21.448 80.923,21.5 80.5,21.5 80.5,24 81,24.5
  pour cut-out: 88.179,23.256 88.169,23.267 83.609,23.267 83.609,22.434 83.544,22.5 82,22.5 82,24 84,26 88,26 89,25
  pour cut-out: 62.285,64.636 61.921,65 57.5,65 57.5,69.5 59,71 59.5,70.5 65,70.5 65,67 63.5,65.5
  pour cut-out: 25,35 25,36 32.413,36 32.7,35.713 32.7,32.06 25.024,32.06 24.922,32.162
  pour cut-out: 26.5,47.608 29.266,47.608 29.9,48.242 30.142,48 32.5,48 32.5,45 32.5,43.396 30.264,43.396 25.013,43.396 25.013,44.886 24.857,45.042
  pour cut-out: 60.69,42.149 60.69,46.19 60,45.5 58.5,45.5 55.5,42.5 55.5,41.5
  pour cut-out: 50.529,40.395 50.525,40.399 49.185,40.399 49.185,40.815 49.182,40.818 49.837,40.818
  pour cut-out: 53.643,33.518 52.518,33.518 52.5,33.5 52.5,32.5 54,32.5
  pour cut-out: 57.793,39.844 57.575,40.063 57.575,40.344 58.844,40.344 59,40.5 59,39.5
  pour cut-out: 51.192,51.32 51.82,51.32 52,51.5 53,50.5 53,47.5 54.5,46 55,46 55,43.5 55.5,43 55,42.5 46.5,42.5 46.5,46.5
  pour cut-out: 71.15,48.905 59.355,48.905 59.194,49.066 59.339,49.212 59.339,54.839 60.5,56 62,54.5 64,54.5
  pour cut-out: 64.447,42.678 64.231,42.678 63.685,43.223 63.685,41.315 65,40 65.5,40.5 65.5,41
  pour cut-out: 76.317,45 71.5,45 71.5,38.81 74.81,38.81 76.317,40.317
  pour cut-out: 72.5,28 73,28 72.988,27.988 72.988,25.686 72.223,25.686 72.2,25.709 72.2,28
  pour cut-out: 70.215,31.363 69.714,31.363 69.565,31.215 69.446,31.334 69.446,32.674 69.906,32.674 70.127,32.453 70.398,32.453
  pour cut-out: 62.121,31.357 62.266,31.212 62.79,31.212 62.79,32.491 62.714,32.567 61.902,32.567
  pour cut-out: 56.5,30 56.5,32.15 53.442,32.15 52.99,31.697 53,31.687 53,25 66.5,25 66.5,30
  pour cut-out: 72.2,26 72.223,25.977 72.223,25.615 71.876,25.615 71.596,25.335 67,25.335 67,28 66,29 67,29
  pour cut-out: 60.138,20.679 60.135,20.676 60.135,19.381 66.381,19.381 66.5,19.5 66.021,19.979 66.021,20.253 60.903,20.253 60.734,20.084
  pour cut-out: 57.5,24.5 57.5,23 52.5,23 52.5,27 54.5,27
  pour cut-out: 60.761,14.63 60.761,16.239 60.5,16.5 59,16.5 59,16 57.5,14.5 57.5,14 59.5,14
  pour cut-out: 57.802,12.401 57.861,12.461 57.861,12.901 58.901,12.901 58.659,12.659 58.659,12.401
  pour cut-out: 60.761,11.98 60.761,10.467 60.728,10.5 59,10.5 59,12.5
  pour cut-out: 55.435,3.505 54.505,3.505 54.5,3.5 54.244,3.756 54.244,5.505 55.495,5.505 56,5
  pour cut-out: 62,3.5 63,3.5 63,5 61.5,5
  pour cut-out: 69.833,3.5 68.5,3.5 68.5,4.811 67.944,5.366 68.078,5.5 69.5,5.5 70.25,4.75
  pour cut-out: 79.64,4.578 85.052,4.578 85.052,2.673 85.087,2.639 85.075,2.627 78.143,2.627 78.143,4.593
  pour cut-out: 88,10.5 82.5,10.5 82,10 82.206,9.794 82.206,7.521 87.921,7.521 87.988,7.588
  pour cut-out: 89.559,11.114 94.055,11.114 94.155,11.213 92.5,12.868 92.5,14 93,14 95,16 101,16 101,15.5 95.5,10 89.5,10
  pour cut-out: 92.611,20.262 93.676,20.262 93.685,20.254 93.5,20.069 93.5,16 93,16 92.5,15.5 91.939,16.061 91.939,16.678
  pour cut-out: 91.332,24.887 93.764,22.455 93.797,22.455 93.797,22.488 94.33,23.021 92.342,25.009 92.342,25.953
  pour cut-out: 104.266,42.947 106.276,42.947 106.357,43.028 106.357,45.368 103.846,45.368 103.539,45.061
  pour cut-out: 76.626,66.429 76.634,66.421 76.634,63.554 77.946,63.554 77.5,64 77.5,66.5
  pour cut-out: 73.229,68.298 73.237,68.291 73.237,65.823 64.454,65.823 64.712,66.081 64.712,69.501 73.027,69.501 73.567,68.96
  pour cut-out: 47.959,88.486 48,88.445 48,84.5 48.946,84.5 49.622,85.176
  pour cut-out: 62.03,97.95 62.03,93.53 62,93.5 51,93.5 51,97 52,98
  pour cut-out: 26.799,73.525 16.826,73.525 16.826,66.742 26.799,66.742
  pour cut-out: 18.727,11.532 18.727,11.15 18.845,11.032 16.755,11.032 16.755,11.532
  pour cut-out: 18.727,15.032 18.727,15.031 18.727,14.631 16.755,14.631 16.755,15.032
  pour cut-out: 25.95,20.95 25.9,21 12.5,21 12.5,27 12.55,27.05 25.95,27.05
  pour cut-out: 16.745,17.813 16.745,20.592 16.738,20.599 14.64,18.5 14,18.5 14,18 16,16 17,16
  pour cut-out: 16.713,4.753 16.673,4.793 12.762,4.793 12.762,10.738 13,10.5 18,10.5
  pour cut-out: 10,22 8,22 8,2 8.07,1.93 10.24,1.93
  pour cut-out: 10.5,18.5 9.5,19.5 9.5,21 11,21 12,22 12.5,21.5 15.5,21.5 15.5,20 13.666,18.166

## Silkscreen, mask and mechanical layers (free items; w line width, h text height)
Top Overlay:
  text "CDRG" at 65.275,97.905 h3 r270
  text "SDA SCL V3 GND" at 34,95.5 h3
  text "DUAL" at 89.939,89.697 h5
  text "MONO" at 89.105,84.782 h5
  text "AD1955" at 87.5,79.898 h5
  text "COAX S/PDIF" at 95.9,75.3 h3
  text "GND" at 52,72 h2
  text "MCLK" at 52,70.5 h2
  text "BCLK" at 52,69 h2
  text "LRCLK" at 52,67.5 h2
  text "SDATA" at 52,66 h2
  text "TOSLINK" at 98.703,52.9 h3
Bottom Overlay:
  text "ADHF21BL" at 33.5,92.398 h5
  text "0821" at 27.495,85.357 h5
  text "TWOLFE239" at 101.291,49.427 h8 r270
  text "Ver P0" at 103.033,0.568 h5

## Text inside footprints (layer, text, board x,y; h text height)
P6: Mechanical 1 "Mech 2 - Clearance, move to internal plane if present" at 91.337,75.313 h1.8; Mechanical 1 "Mech 1 - Slot cut-out" at 91.337,75.813 h1.8; Mechanical 1 "Assign keep-out area to slot" at 91.337,77.313 h1.8; Mechanical 1 "Slot 1.2x2.2mm, PTH" at 91.337,76.313 h1.8; Mechanical 1 "Alert PCB fab to slot details" at 91.337,76.813 h1.8; Mechanical 1 "PCB Edge" at 101.06,64.353 h1.8 r90
TR1: Top Overlay "3" at 89.648,72.721 h1.8 r90; Top Overlay "4" at 82.398,72.721 h1.8 r90; Top Overlay "2" at 89.648,59.971 h1.8 r90; Top Overlay "1" at 82.398,59.971 h1.8 r90; Mechanical 1 "4" at 82.398,72.721 h1.8 r90; Mechanical 1 "3" at 89.648,72.721 h1.8 r90; Mechanical 1 "2" at 89.648,59.971 h1.8 r90; Mechanical 1 "1" at 82.398,59.971 h1.8 r90